# KiCad board panel_r0.1.kicad_pcb (continued)
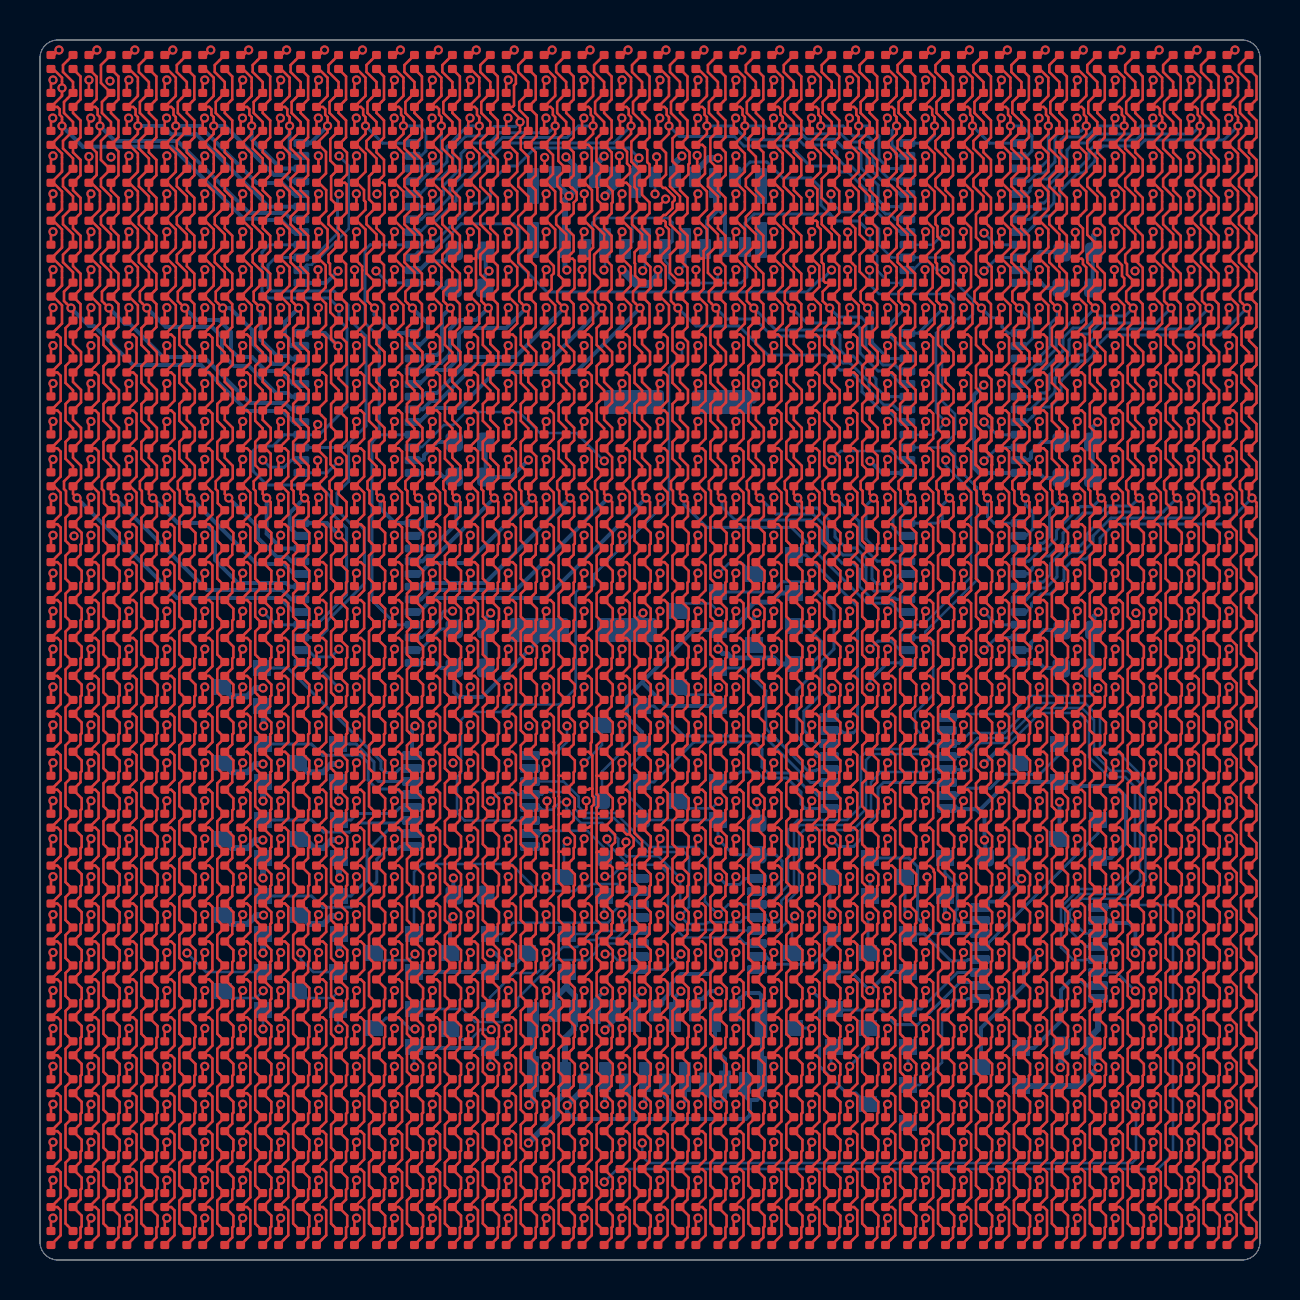
[diagram p0: board, top side]
## Routing (per net, layer and track width the routed paths; a pad name or vN(x,y) marks a point on that pad's centre or on a via; arc(x,y) is an arc through that point) (continued)
  Bottom w0.15: U8.9 43.06,44.44 42.75,44.75 42.15,44.75 41.3,45.6 41.3,46.9 41.05,47.15 39.94,47.15 v1(39.49,47.6)
COL_RA21: length 73
  Top w0.127: D1014.2 41.11,1.82 41.11,2.97 D982.2 41.11,3.72 41.11,4.87 D950.2 41.11,5.62 41.11,6.77 D918.2 41.11,7.51 41.11,8.66 D886.2 41.11,9.41 41.11,10.56 D854.2 41.11,11.31 41.11,12.46 D822.2 41.11,13.2 41.11,14.35 D790.2 41.11,15.1 41.11,16.25 D758.2 41.11,17 41.11,18.15 D726.2 41.11,18.89 41.11,20.04 D694.2 41.11,20.79 41.11,21.94 D662.2 41.11,22.69 41.11,23.84 D630.2 41.11,24.58 41.11,25.73 D598.2 41.11,26.48 41.11,27.63 D566.2 41.11,28.38 41.11,29.53 D534.2 41.11,30.27 41.11,31.42 D502.2 41.11,32.17 41.11,33.32 D470.2 41.11,34.07 41.11,35.22 D438.2 41.11,35.96 41.11,37.11 D406.2 41.13,37.84 41.13,38.45 41.03,38.55 41.03,38.93 D374.2 41.11,39.76 41.11,40.91 D342.2 41.48,41.58 41.11,41.96 41.11,42.8 D310.2 41.48,43.48 41.11,43.85 41.11,44.7 D278.2 41.48,45.38 41.11,45.75 41.11,46.6 D246.2 41.48,47.5 v1(41.38,47.6) 41.03,47.95 41.03,48.42 D214.2 41.48,48.92 40.98,49.42 40.98,50.26 D182.2 41.48,50.77 40.98,51.27 40.98,52.16 D150.2 41.48,53.18 40.98,53.68 40.98,54.06 D118.2 41.48,55.08 40.98,55.58 40.98,55.95 D86.2 41.48,56.9 41.03,57.35 41.03,57.9 D54.2 41.48,58.65 41.48,58.66 41.48,58.9 40.98,59.4 40.98,59.75 D22.2
  Bottom w0.15: v1(41.38,47.6) 41.61,47.37 41.61,45.87 42.41,45.07 U8.10
COL_RA22: length 71.9
  Top w0.127: D23.2 42.88,59.75 42.88,59.4 43.38,58.9 43.38,58.66 43.38,58.65 D55.2 42.93,57.9 42.93,57.35 43.38,56.9 D87.2 42.88,55.95 42.88,55.58 43.38,55.08 D119.2 42.88,54.06 42.88,53.68 43.38,53.18 D151.2 42.88,52.16 42.88,51.78 43.38,51.28 D183.2 42.88,50.26 42.88,49.89 43.38,49.39 D215.2 42.93,48.42 42.93,47.95 v1(43.28,47.6) 43.38,47.5 D247.2 43.01,46.6 43.01,45.75 43.38,45.38 D279.2 43.01,44.7 43.01,43.85 43.38,43.48 D311.2 43.01,42.8 43.01,41.96 43.38,41.58 D343.2 43.01,40.91 43.01,40.06 43.38,39.69 D375.2 42.93,38.93 42.93,38.55 43.03,38.45 43.03,37.84 D407.2 43.01,37.11 43.01,35.96 D439.2 43.01,35.22 43.01,34.07 D471.2 43.01,33.32 43.01,32.17 D503.2 43.01,31.42 43.01,30.27 D535.2 43.01,29.53 43.01,28.38 D567.2 43.01,27.63 43.01,26.48 D599.2 43.01,25.73 43.01,24.58 D631.2 43.01,23.84 43.01,22.69 D663.2 43.01,21.94 43.01,20.79 D695.2 43.01,20.04 43.01,18.89 D727.2 43.01,18.15 43.01,17 D759.2 43.01,16.25 43.01,15.1 D791.2 43.01,14.35 43.01,13.2 D823.2 43.01,12.46 43.01,11.31 D855.2 43.01,10.56 43.01,9.41 D887.2 43.01,8.66 43.01,7.51 D919.2 43.01,6.77 43.01,5.62 D951.2 43.01,4.87 43.01,3.72 D983.2 43.01,2.97 43.01,1.82 D1015.2
  Bottom w0.15: U8.11 42.99,45.71 42.55,46.15 42.55,46.87 v1(43.28,47.6)
COL_RA23: length 71.5
  Top w0.127: D24.2 44.78,59.75 44.78,59.4 45.28,58.9 45.28,58.66 45.28,58.65 D56.2 44.83,57.9 44.83,57.35 45.28,56.9 D88.2 44.78,55.95 44.78,55.58 45.28,55.08 D120.2 44.78,54.06 44.78,53.68 45.28,53.18 D152.2 44.78,52.16 44.78,51.78 44.87,51.69 44.87,51.17 D184.2 44.78,50.26 44.78,49.89 44.85,49.81 44.85,49.35 45.28,48.92 D216.2 44.83,48.42 44.83,47.95 v1(45.18,47.6) 45.28,47.5 D248.2 44.9,46.6 44.9,45.75 45.28,45.38 D280.2 44.9,44.7 44.9,43.85 45.28,43.48 D312.2 44.9,42.8 44.9,41.55 45.17,41.28 D344.2 44.9,40.91 44.9,39.7 45.22,39.38 D376.2 44.83,38.93 44.83,38.55 44.93,38.45 44.93,37.84 D408.2 44.9,37.11 44.9,35.96 D440.2 44.9,35.22 44.9,34.07 D472.2 44.9,33.32 44.9,32.17 D504.2 44.9,31.42 44.9,30.27 D536.2 44.9,29.53 44.9,28.38 D568.2 44.9,27.63 44.9,26.48 D600.2 44.9,25.73 44.9,24.58 D632.2 44.9,23.84 44.9,22.69 D664.2 44.9,21.94 44.9,20.79 D696.2 44.9,20.04 44.9,19.5 45.28,19.13 D728.2 44.9,18.15 44.9,17 D760.2 44.9,16.25 44.9,15.1 D792.2 44.9,14.35 44.9,13.2 D824.2 44.9,12.46 44.9,11.31 D856.2 44.9,10.56 44.9,9.41 D888.2 44.9,8.66 44.9,7.51 D920.2 44.9,6.77 44.9,5.62 D952.2 44.9,4.87 44.9,3.72 D984.2 44.9,2.97 44.9,1.82 D1016.2
  Bottom w0.15: U8.12 43.92,46.34 v1(45.18,47.6)
COL_RA24: length 71.5
  Top w0.127: D25.2 46.67,59.75 46.67,59.4 47.17,58.9 47.17,58.66 47.17,58.65 D57.2 46.72,57.9 46.72,57.35 47.17,56.9 D89.2 46.67,55.95 46.67,55.58 47.17,55.08 D121.2 46.67,54.06 46.67,53.68 47.17,53.18 D153.2 46.8,52.29 46.8,51.14 D185.2 46.8,50.39 46.8,49.28 47.17,48.91 D217.2 46.72,48.42 46.72,47.95 v1(47.07,47.6) 47.17,47.5 D249.2 46.8,46.6 46.8,45.75 47.17,45.38 D281.2 46.8,44.7 46.8,43.6 47.17,43.23 D313.2 ; D377.2 46.72,38.93 46.72,38.55 46.82,38.45 46.82,37.84 D409.2 46.8,37.11 46.8,35.96 D441.2 46.8,35.22 46.8,34.07 D473.2 46.8,33.32 46.8,32.17 D505.2 46.8,31.42 46.8,30.27 D537.2 46.8,29.53 46.8,28.38 D569.2 46.8,27.63 46.8,26.48 D601.2 46.8,25.73 46.8,24.58 D633.2 46.8,23.84 46.8,22.69 D665.2 46.8,21.94 46.8,20.79 D697.2 46.8,20.04 46.8,18.89 D729.2 46.8,18.15 46.8,17 D761.2 46.8,16.25 46.8,15.1 D793.2 46.8,14.35 46.8,13.2 D825.2 46.8,12.46 46.8,11.31 D857.2 46.8,10.56 46.8,9.41 D889.2 46.8,8.66 46.8,7.51 D921.2 46.8,6.77 46.8,5.62 D953.2 46.8,4.87 46.8,3.72 D985.2 46.8,2.97 46.8,1.82 D1017.2
  Top w0.15: D313.2 46.79,42.79 46.79,41.73 47.17,41.34 D345.2 46.79,40.9 46.79,39.77 D377.2
  Bottom w0.15: U8.13 48.41,46.34 48.1,46.65 48.1,46.95 47.94,47.11 47.56,47.11 v1(47.07,47.6)
COL_RA25: length 71.8
  Top w0.127: D26.2 48.57,59.75 48.57,59.4 49.07,58.9 49.07,58.66 49.07,58.65 D58.2 48.62,57.9 48.62,57.35 49.07,56.9 D90.2 48.57,55.95 48.57,55.58 49.07,55.08 D122.2 48.57,54.06 48.57,53.68 49.07,53.18 D154.2 48.57,52.16 48.57,51.78 49.07,51.28 D186.2 48.57,50.26 48.57,49.89 49.07,49.39 D218.2 48.62,48.42 48.62,47.95 v1(48.97,47.6) 49.07,47.5 D250.2 48.7,46.6 48.7,45.75 49.07,45.38 D282.2 48.7,44.7 48.7,43.85 49.07,43.48 D314.2 48.7,42.8 48.7,41.96 49.07,41.58 D346.2 48.7,40.91 48.7,40.06 49.07,39.69 D378.2 48.62,38.93 48.62,38.55 48.72,38.45 48.72,37.84 D410.2 48.7,37.11 48.7,35.96 D442.2 48.7,35.22 48.7,34.07 D474.2 48.7,33.32 48.7,32.17 D506.2 48.7,31.42 48.7,30.27 D538.2 48.7,29.53 48.7,28.38 D570.2 48.7,27.63 48.7,26.48 D602.2 48.7,25.73 48.7,24.58 D634.2 48.7,23.84 48.7,22.69 D666.2 48.7,21.94 48.7,20.79 D698.2 48.7,20.04 48.7,18.89 D730.2 48.7,18.15 48.7,17 D762.2 48.7,16.25 48.7,15.1 D794.2 48.7,14.35 48.7,13.2 D826.2 48.7,12.46 48.7,11.31 D858.2 48.7,10.56 48.7,9.41 D890.2 48.7,8.66 48.7,7.51 D922.2 48.7,6.77 48.7,5.62 D954.2 48.7,4.87 48.7,3.72 D986.2 48.7,2.97 48.7,1.82 D1018.2
  Bottom w0.15: U8.14 49.26,45.71 49.65,46.1 49.65,46.92 v1(48.97,47.6)
COL_RA26: length 73
  Top w0.127: D27.2 50.47,59.75 50.47,59.4 50.97,58.9 50.97,58.66 50.97,58.65 D59.2 50.52,57.9 50.52,57.35 50.97,56.9 D91.2 50.47,55.95 50.47,55.58 50.97,55.08 D123.2 50.47,54.06 50.47,53.68 50.97,53.18 D155.2 50.47,52.16 50.47,51.78 50.97,51.28 D187.2 50.47,50.26 50.47,49.89 50.97,49.39 D219.2 50.52,48.42 50.52,47.95 v1(50.87,47.6) 50.97,47.5 D251.2 50.59,46.6 50.59,45.75 50.97,45.38 D283.2 50.59,44.7 50.59,43.85 50.97,43.48 D315.2 50.59,42.8 50.59,41.96 50.97,41.58 D347.2 50.59,40.91 50.59,40.06 50.97,39.69 D379.2 50.52,38.93 50.52,38.55 50.62,38.45 50.62,37.84 D411.2 50.59,37.11 50.59,35.96 D443.2 50.59,35.22 50.59,34.07 D475.2 50.59,33.32 50.59,32.17 D507.2 50.59,31.42 50.59,30.27 D539.2 50.59,29.53 50.59,28.38 D571.2 50.59,27.63 50.59,26.48 D603.2 50.59,25.73 50.59,24.58 D635.2 50.59,23.84 50.59,22.69 D667.2 50.59,21.94 50.59,20.79 D699.2 50.59,20.04 50.59,18.89 D731.2 50.59,18.15 50.59,17 D763.2 50.59,16.25 50.59,15.1 D795.2 50.59,14.35 50.59,13.2 D827.2 50.59,12.46 50.59,11.31 D859.2 50.59,10.56 50.59,9.41 D891.2 50.59,8.66 50.59,7.51 D923.2 50.59,6.77 50.59,5.62 D955.2 50.59,4.87 50.59,3.72 D987.2 50.59,2.97 50.59,1.82 D1019.2
  Bottom w0.15: v1(50.87,47.6) 50.87,47.17 50.51,46.81 50.51,45.69 49.9,45.07 U8.15
COL_RA27: length 74.6
  Top w0.127: D1020.2 52.49,1.82 52.49,2.97 D988.2 52.49,3.72 52.49,4.87 D956.2 52.49,5.62 52.49,6.77 D924.2 52.49,7.51 52.49,8.66 D892.2 52.49,9.41 52.49,10.56 D860.2 52.49,11.31 52.49,12.46 D828.2 52.49,13.2 52.49,14.35 D796.2 52.49,15.1 52.49,16.25 D764.2 52.49,17 52.49,18.15 D732.2 52.49,18.89 52.49,20.04 D700.2 52.49,20.79 52.49,21.94 D668.2 52.49,22.69 52.49,23.84 D636.2 52.49,24.58 52.49,25.73 D604.2 52.49,26.48 52.49,27.63 D572.2 52.49,28.38 52.49,29.53 D540.2 52.49,30.27 52.49,31.42 D508.2 52.49,32.17 52.49,33.32 D476.2 52.49,34.07 52.49,35.22 D444.2 52.49,35.96 52.49,37.11 D412.2 52.51,37.84 52.51,38.45 52.41,38.55 52.41,38.93 D380.2 52.86,39.69 52.49,40.06 52.49,40.91 D348.2 52.86,41.29 52.49,41.66 52.49,42.8 D316.2 52.86,43.48 52.49,43.85 52.49,44.7 D284.2 52.86,45.38 52.49,45.75 52.49,46.6 D252.2 52.86,47.5 v1(52.76,47.6) 52.41,47.95 52.41,48.42 D220.2 52.86,49.39 52.36,49.89 52.36,50.26 D188.2 52.86,50.76 52.36,51.26 52.36,52.16 D156.2 52.86,53.18 52.36,53.68 52.36,54.06 D124.2 52.86,55.08 52.36,55.58 52.36,55.95 D92.2 52.86,56.9 52.41,57.35 52.41,57.9 D60.2 52.86,58.65 52.86,58.66 52.86,58.9 52.36,59.4 52.36,59.75 D28.2
  Bottom w0.15: v1(52.76,47.6) 52.06,46.9 51.55,46.9 50.81,46.16 50.81,45.56 50.05,44.8 49.85,44.8 49.49,44.44 U8.16
COL_RA28: length 76.8
  Top w0.127: D1021.2 54.39,1.82 54.39,2.97 D989.2 54.39,3.72 54.39,4.87 D957.2 54.39,5.62 54.39,6.77 D925.2 54.39,7.51 54.39,8.66 D893.2 54.39,9.41 54.39,10.56 D861.2 54.39,11.31 54.39,12.46 D829.2 54.39,13.2 54.39,14.35 D797.2 54.39,15.1 54.39,16.25 D765.2 54.39,17 54.39,18.15 D733.2 54.39,18.89 54.39,20.04 D701.2 54.39,20.79 54.39,21.94 D669.2 54.39,22.69 54.39,23.84 D637.2 54.39,24.58 54.39,25.73 D605.2 54.39,26.48 54.39,27.63 D573.2 54.39,28.38 54.39,29.53 D541.2 54.39,30.27 54.39,31.42 D509.2 54.39,32.17 54.39,33.32 D477.2 54.39,34.07 54.39,35.22 D445.2 54.39,35.96 54.39,37.11 D413.2 54.41,37.84 54.41,38.45 54.31,38.55 54.31,38.93 D381.2 54.76,39.69 54.39,40.06 54.39,40.91 D349.2 54.76,41.58 54.39,41.96 54.39,42.8 D317.2 54.76,43.48 54.39,43.85 54.39,44.7 D285.2 54.76,45.38 54.39,45.75 54.39,46.6 D253.2 54.76,47.5 v1(54.66,47.6) 54.31,47.95 54.31,48.42 D221.2 54.35,49.28 54.35,49.8 54.26,49.89 54.26,50.26 D189.2 54.76,51.28 54.26,51.78 54.26,52.16 D157.2 54.76,53.18 54.26,53.68 54.26,54.06 D125.2 54.76,55.08 54.26,55.58 54.26,55.95 D93.2 54.76,56.9 54.31,57.35 54.31,57.9 D61.2 54.76,58.65 54.76,58.66 54.76,58.9 54.26,59.4 54.26,59.75 D29.2
  Bottom w0.15: v1(54.66,47.6) 54.26,47.2 52.9,47.2 52.3,46.6 51.65,46.6 51.15,46.1 51.15,45.45 50.26,44.56 50.06,44.56 49.3,43.8 48.93,43.8 U8.17
COL_RA29: length 79.4
  Top w0.127: D30.2 56.16,59.75 56.16,59.4 56.66,58.9 56.66,58.66 56.66,58.65 D62.2 56.21,57.9 56.21,57.35 56.66,56.9 D94.2 56.16,55.95 56.16,55.58 56.66,55.08 D126.2 56.16,54.06 56.16,53.68 56.66,53.18 D158.2 56.16,52.16 56.16,51.78 56.66,51.28 D190.2 56.16,50.26 56.16,49.89 56.66,49.39 D222.2 56.21,48.42 56.21,47.95 v1(56.56,47.6) 56.66,47.5 D254.2 56.28,46.6 56.28,45.75 56.66,45.38 D286.2 56.28,44.7 56.28,43.85 56.66,43.48 D318.2 56.28,42.8 56.28,41.96 56.66,41.58 D350.2 56.28,40.91 56.28,40.06 56.66,39.69 D382.2 56.21,38.93 56.21,38.55 56.31,38.45 56.31,37.84 D414.2 56.28,37.11 56.28,35.96 D446.2 56.28,35.22 56.28,34.07 D478.2 56.28,33.32 56.28,32.17 D510.2 56.28,31.42 56.28,30.27 D542.2 56.28,29.53 56.28,28.38 D574.2 56.28,27.63 56.28,26.48 D606.2 56.28,25.73 56.28,24.58 D638.2 56.28,23.84 56.28,22.69 D670.2 56.28,21.94 56.28,20.79 D702.2 56.28,20.04 56.28,18.89 D734.2 56.28,18.15 56.28,17 D766.2 56.28,16.25 56.28,15.1 D798.2 56.28,14.35 56.28,13.2 D830.2 56.28,12.46 56.28,11.31 D862.2 56.28,10.56 56.28,9.41 D894.2 56.28,8.66 56.28,7.51 D926.2 56.28,6.77 56.28,5.62 D958.2 56.28,4.87 56.28,3.72 D990.2 56.28,2.97 56.28,1.82 D1022.2
  Bottom w0.15: v1(56.56,47.6) 55.81,46.85 53,46.85 52.45,46.3 51.75,46.3 51.45,46 51.45,45.25 50.45,44.25 50.45,43.55 50.25,43.35 49.9,43.35 49.72,43.17 U8.18
COL_RA30: length 81.3
  Top w0.127: D31.2 58.05,59.75 58.05,59.4 58.55,58.9 58.55,58.66 58.55,58.65 D63.2 58.1,57.9 58.1,57.35 58.55,56.9 D95.2 58.05,55.95 58.05,55.58 58.55,55.08 D127.2 58.05,54.06 58.05,53.68 58.55,53.18 D159.2 58.05,52.16 58.05,51.78 58.55,51.28 D191.2 58.05,50.26 58.05,49.89 58.55,49.39 D223.2 58.1,48.42 58.1,47.95 v1(58.45,47.6) 58.55,47.5 D255.2 58.18,46.6 58.18,45.75 58.55,45.38 D287.2 58.18,44.7 58.18,43.85 58.55,43.48 D319.2 58.18,42.8 58.18,41.96 58.55,41.58 D351.2 58.18,40.91 58.18,40.06 58.55,39.69 D383.2 58.1,38.93 58.1,38.55 58.2,38.45 58.2,37.84 D415.2 58.18,37.11 58.18,35.96 D447.2 58.18,35.22 58.18,34.07 D479.2 58.18,33.32 58.18,32.17 D511.2 58.18,31.42 58.18,30.27 D543.2 58.18,29.53 58.18,28.38 D575.2 58.18,27.63 58.18,26.48 D607.2 58.18,25.73 58.18,24.58 D639.2 58.18,23.84 58.18,22.69 D671.2 58.18,21.94 58.18,20.79 D703.2 58.18,20.04 58.18,18.89 D735.2 58.18,18.15 58.18,17 D767.2 58.18,16.25 58.18,15.1 D799.2 58.18,14.35 58.18,13.2 D831.2 58.18,12.46 58.18,11.31 D863.2 58.18,10.56 58.18,9.41 D895.2 58.18,8.66 58.18,7.51 D927.2 58.18,6.77 58.18,5.62 D959.2 58.18,4.87 58.18,3.72 D991.2 58.18,2.97 58.18,1.82 D1023.2
  Bottom w0.15: v1(58.45,47.6) 57.4,46.55 53.15,46.55 52.35,45.75 52.35,45.45 52.15,45.25 51.9,45.25 50.75,44.1 50.75,43.4 50.4,43.05 50.05,43.05 49.53,42.53 U8.19
COL_RA31: length 83.9
  Top w0.127: D32.2 59.95,59.75 59.95,59.4 60.45,58.9 60.45,58.66 60.45,58.65 D64.2 60,57.9 60,57.35 60.45,56.9 D96.2 59.95,55.95 59.95,55.58 60.45,55.08 D128.2 59.95,54.06 59.95,53.68 60.45,53.18 D160.2 59.95,52.16 59.95,51.78 60.45,51.28 D192.2 59.95,50.26 59.95,49.89 60.45,49.39 D224.2 60,48.42 60,47.95 v1(60.35,47.6) 60.45,47.5 D256.2 60.08,46.6 60.08,45.75 60.45,45.38 D288.2 60.08,44.7 60.08,43.85 60.45,43.48 D320.2 60.08,42.8 60.08,41.96 60.45,41.58 D352.2 60.08,40.91 60.08,40.06 60.45,39.69 D384.2 60,38.93 60,38.55 60.1,38.45 60.1,37.84 D416.2 60.05,37.08 60.05,35.99 D448.2 60.05,35.19 60.05,34.1 D480.2 60.05,33.29 60.05,32.2 D512.2 60.05,31.39 60.05,30.3 D544.2 60.05,29.5 60.05,28.41 D576.2 60.05,27.6 60.05,26.51 D608.2 60.05,25.7 60.05,24.61 D640.2 60.05,23.81 60.05,22.72 D672.2 60.05,21.91 60.05,20.82 D704.2 60.05,20.01 60.05,18.92 D736.2 60.05,18.12 60.05,17.03 D768.2 60.05,16.22 60.05,15.13 D800.2 60.05,14.32 60.05,13.23 D832.2 60.05,12.43 60.05,11.34 D864.2 60.05,10.53 60.05,9.44 D896.2 60.05,8.63 60.05,7.54 D928.2 60.05,6.74 60.05,5.65 D960.2 60.05,4.84 60.05,3.75 D992.2 60.05,2.94 60.05,1.85 D1024.2
  Bottom w0.15: U8.20 49.35,41.9 49.62,42.17 49.62,42.17 50.1,42.65 50.5,42.65 51.05,43.2 51.05,43.95 52.05,44.95 52.35,44.95 52.7,45.3 52.7,45.55 53.4,46.25 59,46.25 v1(60.35,47.6)
P_LED: length 211.5
  In1.Cu w0.4: v1(20.65,24.85) 21.55,25.75 23.5,25.75 v1(24.45,26.7)
  In2.Cu w0.15: v1(26.34,49.5) 25.89,49.05 17.2,49.05 v1(16.8,49.45)
  In2.Cu w0.2: v1(47.19,43.75) 47.79,44.35 50.4,44.35 50.95,43.8 50.95,39.75 52.5,38.2 52.49,38.19 52.49,35.69 52.89,35.3 54.3,35.3 54.8,34.8 v1(54.8,32.35)
  In2.Cu w0.25: v1(18.73,9.65) 18.73,9.98 19.31,10.55 ; 19.31,10.55 15.35,10.55 14.95,10.95 v1(14.95,11.55) ; 19.31,10.55 23.41,10.55 ; v1(28.21,17.25) 28.21,16.81 27.75,16.35 26.7,16.35 26.3,15.95 26.3,10.9 25.95,10.55 23.41,10.55 ; 23.41,10.55 v1(22.54,9.67)
  In2.Cu w0.3: v1(3.55,55.15) 3.55,55.48 3.8,55.73 3.8,57.65 3.5,57.95 v1(3.5,58.95)
  Bottom w0.089: v1(14.94,22.95) 14.9,22.99 Q7.2
  Bottom w0.127: Q20.2 30.1,25.27 29.48,24.66 29.48,23.14 30.1,22.53 Q19.2 Q18.2 ; v1(33.9,30.55) 33.9,30.55 Q23.2 ; Q11.2 14.9,11.6 v1(14.95,11.55) ; Q10.2 v1(11.15,11.55)
  Bottom w0.15: v1(41.49,13.47) 40.56,14.4 Q9.2 ; v1(18.73,9.65) 18.7,9.68 18.7,10.6 ; v1(39.6,9.65) 39.55,9.7 39.55,10.6 ; U9.24 17.39,48.86 v1(16.8,49.45) ; v1(28.21,17.25) 28.2,17.26 Q1.2 ; 43.4,10.55 v1(43.4,9.65) ; v1(22.54,9.67) 22.5,9.71 Q13.2 ; Q18.2 33.9,21.05 v1(33.95,21) 34.68,20.26 C4.1 36.79,20.26 37.1,19.95 37.1,19 36.53,18.42 U2.10 ; Q31.2 v1(41.5,19.1)
  Bottom w0.2: U6.24 49.96,29.86 50.22,29.6 C12.1 ; 33.93,52.53 33.35,51.95 33.35,50.65 J1.5 ; 33.93,52.53 33.75,52.7 J1.4 ; 33.93,52.53 34.25,52.2 J1.3 ; 46.81,22.54 47.22,22.13 v1(47.22,21) 47.26,20.96 C6.1 ; 46.81,22.54 47.03,22.54 48.39,23.9 Q17.2 51.6,23.9 51.8,23.7 53.75,23.7 54.3,23.15 54.3,20.85 53.55,20.1 Q30.2 ; 46.81,22.54 45.91,22.54 45.88,22.58 U3.16 ; Q13.2 18.75,10.6 Q12.2 ; C7.1 20.12,48.6 19.87,48.86 U9.24 ; v1(54.77,15.35) 54.77,16.53 54.45,16.85 53.56,16.85 53.44,16.97 U4.10 ; Q20.2 30.1,26.4 29.35,27.15 29.35,28.14 30.15,28.95 ; Q23.2 32.71,31.5 30.15,28.95 ; Q21.2 31.29,27.7 30.15,28.84 30.15,28.95 ; Q15.2 Q16.2 ; C9.1 20.18,39.15 19.97,39.36 U7.24 ; C8.1 50.31,48.6 50.06,48.86 U10.24 ; Q29.2 42.42,14.4 v1(41.49,13.47) ; U5.24 19.79,29.86 20.05,29.6 C11.1 20.71,28.39 20.95,28.15 22.1,28.15 v1(24.45,30.5) 24.95,31 C1.1 ; J2.4 33.75,10.55 34.25,10.05 J2.3 34.25,8.1 v1(33.9,7.75) 33.25,8.4 J2.5 ; Q32.2 45.25,17.28 v1(45.33,17.2) ; v1(47.19,43.75) 46.7,43.26 46.7,39.6 46.94,39.36 U8.24 49.94,39.36 50.2,39.1 C10.1
  Bottom w0.25: J1.19 26.25,49.59 v1(26.34,49.5) ; Q22.2 37,29.8 36.7,30.1 34.58,30.1 34.36,30.32 34.13,30.32 v1(33.9,30.55) ; J1.18 26.75,54.7 v1(26.3,55.15) ; Q24.2 37,33.35 36.54,32.89 35.72,32.89 35.24,32.4 35.24,32.14 34.6,31.5 Q23.2
  Bottom w0.3: v1(24.42,5.85) 25.85,7.28 25.85,7.95 26.25,8.35 J2.19 26.25,11.1 26.7,11.55 26.7,11.7 26.75,11.75 J2.18 26.75,13.2 26.35,13.6 ; Q4.2 v1(11.15,19.1) ; Q8.2 11.18,27.62 v1(11.18,26.7) ; Q14.2 26.35,13.6 ; 26.35,13.6 26.25,13.6 25.75,13.1 J2.20 ; Q25.2 51.98,8.7 v1(52.91,9.63) 52.64,9.91 C5.1 52.64,11.28 52.9,11.54 U4.16 ; Q3.2 14.95,15.36 v1(14.98,15.33) ; v1(14.98,19.1) 14.95,19.13 Q5.2 ; Q2.2 v1(11.15,15.35) ; v1(26.45,53.2) 26.75,53.5 J1.18 ; v1(26.45,53.2) 25.75,53.9 J1.20 ; v1(26.45,53.2) 26.25,53 J1.19 ; Q6.2 v1(11.15,22.95)
Net-(Q1-Pad1): length 4.6
  Bottom w0.127: 25.26,21.46 27.37,21.46 28.2,20.63 Q1.1
  Bottom w0.15: 25.26,21.46 25.12,21.46 24.99,21.33 U1.15
Net-(Q2-Pad1): length 9.6
  Bottom w0.15: U1.1 18,20.67 17.88,20.55 17.35,20.55 16.84,20.04 16.84,18.91 15.56,17.64 14.15,17.64 13.58,18.2 Q2.1
Net-(Q3-Pad1): length 6
  Bottom w0.15: U1.2 18.18,21.33 17.95,21.55 17.45,21.55 16.35,20.45 16.35,19 15.55,18.2 Q3.1
Net-(Q4-Pad1): length 7.9
  Bottom w0.15: Q4.1 13.57,22 14.18,21.39 15.49,21.39 15.95,21.85 17.88,21.85 18,21.97 18.6,21.97
Net-(Q5-Pad1): length 3.9
  Bottom w0.15: U1.4 18,22.62 17.7,22.33 15.88,22.33 15.55,22 Q5.1
Net-(Q6-Pad1): length 9
  Bottom w0.15: Q6.1 13.57,25.8 14.13,25.24 15.62,25.24 15.64,25.25 16.01,25.25 16.41,24.86 16.41,23.99 16.85,23.55 17.85,23.55 18.12,23.28 U1.5
Net-(Q7-Pad1): length 4.9
  Bottom w0.15: U1.6 16.93,23.92 16.7,24.15 16.7,24.9 15.8,25.8 Q7.1
Net-(Q8-Pad1): length 10
  Bottom w0.15: Q8.1 12.4,29.6 17.05,24.95 17.05,24.55 17.22,24.38 17.8,24.38 18,24.58 U1.7
Net-(Q9-Pad1): length 4.9
  Bottom w0.15: Q9.1 39.6,15.75 38.64,14.79 36.69,14.79 36.3,15.17 U2.15
Net-(Q10-Pad1): length 32.4
  In1.Cu w0.127: v1(32.05,15.3) 32.05,15.63 31.57,16.1 28,16.1 27.75,16.35 8.35,16.35 v1(7.35,15.35)
  Bottom w0.127: Q10.1 8.3,14.4 v1(7.35,15.35) ; v1(32.05,15.3) 31.27,14.53 29.95,14.53
Net-(Q11-Pad1): length 20.2
  In1.Cu w0.127: v1(28.25,15.3) 27.5,16.05 13.74,16.05 v1(13.04,15.35)
  Bottom w0.127: v1(28.25,15.3) 28.58,15.3 28.88,14.99 29.34,14.99 29.53,15.17 U2.2 ; v1(13.04,15.35) 13.04,15.02 13.67,14.4 Q11.1
Net-(Q12-Pad1): length 13.5
  Bottom w0.127: U2.3 28.03,15.83 27.8,15.6 27.8,15.4 27.35,14.95 27,14.95 26.95,15 25.81,15 23.9,13.1 23.9,12.7 23.1,11.9 21.76,11.9 21.11,12.55 Q12.1
Net-(Q13-Pad1): length 9.5
  Bottom w0.127: U2.4 29.22,16.47 28.85,16.1 27.9,16.1 27.8,16 27.2,16 26.85,15.65 26.15,15.65 24.85,14.35 23.72,14.35 22.5,13.13 Q13.1
Net-(Q14-Pad1): length 3.9
  Bottom w0.127: Q14.1 27.65,16.3 27.8,16.45 28.8,16.45 29.47,17.12 U2.5
Net-(Q15-Pad1): length 8.2
  Bottom w0.127: U2.6 29.04,17.78 28.6,17.33 28.6,17.07 28.4,16.87 23.64,16.87 23.08,16.3 Q15.1
Net-(Q16-Pad1): length 15.4
  Bottom w0.127: U2.7 29.22,18.42 28.85,18.8 27.54,18.8 27.44,18.7 27,18.7 26.75,18.45 24.9,18.45 23.55,19.8 19.1,19.8 18.7,19.4 Q16.1
Net-(Q17-Pad1): length 7
  Bottom w0.15: U3.15 45.85,23.22 46.21,23.59 47.51,23.59 48.21,24.29 49.99,24.29 50.95,25.25 Q17.1
Net-(Q18-Pad1): length 6.9
  Bottom w0.15: U3.1 38.78,22.58 38.77,22.57 38.28,22.57 38.05,22.8 38.05,23.4 37.35,24.1 36.15,24.1 35.85,24.4 35,24.4 34.5,23.9 Q18.1
Net-(Q19-Pad1): length 11.8
  Bottom w0.15: U3.2 38.9,23.22 38.63,23.5 38.4,23.5 37.55,24.35 36.4,24.35 36.1,24.65 36.1,25.55 35.75,25.9 32.7,25.9 30.7,23.9 Q19.1
Net-(Q20-Pad1): length 10.9
  Bottom w0.15: U3.3 38.53,23.88 36.2,26.2 32.2,26.2 30.7,27.7 Q20.1
Net-(Q21-Pad1): length 8.8
  Bottom w0.15: Q21.1 35.15,29.6 36.29,28.46 36.29,26.57 38.4,24.46 38.79,24.46 38.85,24.53 39.45,24.53
Net-(Q22-Pad1): length 9
  Bottom w0.15: Q22.1 38.3,31.7 39.1,30.9 39.1,30.34 38.65,29.89 38.65,29.3 37.84,28.49 37.84,26.19 38.85,25.17 U3.5
Net-(Q23-Pad1): length 14.8
  Bottom w0.15: 39.45,25.83 38.85,25.83 38.19,26.48 38.19,27.44 39.05,28.3 39.05,29.9 39.7,30.55 39.7,32.5 38.28,33.91 37.12,33.91 36.6,33.4 Q23.1
Net-(Q24-Pad1): length 11.9
  Bottom w0.15: Q24.1 38.3,35.25 40.88,32.67 40.88,26.57 40.67,26.36 40.16,26.36 40.05,26.47 U3.7
Net-(Q25-Pad1): length 6.2
  Bottom w0.2: Q25.1 49.7,10.6 51.05,11.95 51.05,13.5 51.5,13.95 52.07,13.95 52.3,13.72 U4.15
Net-(Q26-Pad1): length 6.8
  Bottom w0.127: U4.1 46.38,13.08 46.3,13 45.8,13 45.1,12.3 45.1,9.87 43.98,8.75 Q26.1
Net-(Q27-Pad1): length 8.7
  Bottom w0.15: 39.55,12.5 42.04,12.5 42.77,11.77 43.88,11.77 45.98,13.87 46.85,13.87 U4.2
Net-(Q28-Pad1): length 4.4
  Bottom w0.15: Q28.1 44.05,12.55 45.88,14.38 U4.3
Net-(Q29-Pad1): length 4.2
  Bottom w0.15: Q29.1 44.21,16.3 45.55,14.96 46.34,14.96 46.4,15.03 47,15.03
Net-(Q30-Pad1): length 8.9
  Bottom w0.15: Q30.1 52.9,21.33 47.24,15.67 U4.5
Net-(Q31-Pad1): length 8.6
  Bottom w0.15: Q31.1 43.45,20.1 43.88,19.66 43.88,17.08 44.64,16.33 47,16.33
Net-(Q32-Pad1): length 4.7
  Bottom w0.15: U4.7 46.9,16.88 45.98,16.88 45.78,17.08 45.78,17.46 45.86,17.55 45.86,18.73 45.25,19.35 Q32.1
Net-(R1-Pad1): length 2.5
  Bottom w0.15: R1.1 20.05,31.55 19.05,30.55 18.69,30.55 U5.23
Net-(R2-Pad1): length 2.7
  Bottom w0.2: R2.1 50.2,31.5 49.55,30.85 49.55,30.61 49.43,30.49 U6.23
Net-(R3-Pad1): length 2.6
  Bottom w0.2: R3.1 19.87,40.9 19.2,40.23 19.2,40.06 19.13,39.99 U7.23
Net-(R4-Pad1): length 2.6
  Bottom w0.2: U8.23 49.43,39.99 49.55,40.11 49.55,40.35 50.1,40.9 R4.1
Net-(R5-Pad1): length 2.5
  Bottom w0.2: R5.1 20.2,49.94 19.42,49.94 18.97,49.49 U9.23
Net-(R6-Pad1): length 2.7
  Bottom w0.2: R6.1 50.01,50.4 49.5,49.89 49.5,49.56 49.43,49.49 U10.23
Net-(U1-Pad9): length 23.6
  In2.Cu w0.127: v1(28.35,21.05) 27.75,20.45 26,20.45 25.9,20.55 25.9,21.77 26.8,22.67 26.8,26.25 v1(26.35,26.7)
  Bottom w0.127: U1.9 24.93,25.22 25.05,25.35 25.8,25.35 26.35,25.9 v1(26.35,26.7) ; U2.14 35.25,15.83 34.95,16.12 32.21,16.12 31.4,16.94 31.4,19.33 30.97,19.77 29.43,19.77 28.35,20.85 v1(28.35,21.05)
Net-(U2-Pad9): length 16.8
  In1.Cu w0.15: v1(39.6,21) 38.55,19.95 34.75,19.95 v1(33.93,19.14)
  Bottom w0.15: U3.14 42.18,23.88 41.9,23.6 41.9,22.35 41.05,21.5 41.05,21.05 40.67,20.67 39.93,20.67 v1(39.6,21) ; U2.9 35.28,19.08 34.98,18.77 34.3,18.77 v1(33.93,19.14)
Net-(U3-Pad9): length 27.8
  In2.Cu w0.127: v1(52.9,28.6) 52.9,26.1 53.1,25.9 55.05,25.9 55.2,25.75 55.2,13.88 v1(54.77,13.45)
  Bottom w0.127: U4.14 53.84,14.38 v1(54.77,13.45) ; U3.9 45.88,27.12 46.05,27.3 48.55,27.3 49.45,28.2 52.5,28.2 v1(52.9,28.6)
Net-(U5-Pad22): length 27.1
  In1.Cu w0.15: v1(20.63,32.45) 20.63,32.12 21.1,31.65 41,31.65 41.5,31.15 v1(41.5,30.55)
  Bottom w0.15: U5.22 19.1,31.13 20.06,32.09 20.06,32.31 20.2,32.45 v1(20.63,32.45) ; U6.2 43.01,30.49 42.56,30.94 41.89,30.94 v1(41.5,30.55)
Net-(U7-Pad22): length 28.3
  In1.Cu w0.127: v1(28.21,39.95) 28.2,39.96 28.2,40.5 28.55,40.85 39.35,40.85 39.6,40.6 v1(39.6,40)
  Bottom w0.127: v1(28.21,39.95) 26.81,41.35 25,41.35 23.95,42.4 21.3,42.4 20.65,41.75 20.2,41.75 19.1,40.65 18.65,40.65 U7.22 ; U8.2 43.01,39.99 42.55,40.45 40.05,40.45 v1(39.6,40)
Net-(U10-Pad2): length 33.1
  In2.Cu w0.127: v1(39.58,49.5) 39.58,49.17 39.85,48.9 44.65,48.9 v1(45.25,49.5)
  Bottom w0.127: v1(45.25,49.5) 44.83,49.5 44.44,49.9 44.05,49.9 43.7,49.55 43.43,49.55 U10.2
  Bottom w0.15: v1(39.58,49.5) 39.08,49 38.95,49 38.35,48.4 25.35,48.4 23.95,49.8 23.95,51.55 23.69,51.81 21.05,51.81 19.64,50.4 18.9,50.4 U9.22

## Copper pours and planes (outline as drawn; the poured copper is in the pictures)
GND on In2.Cu: 0.25,60.75 60.7,60.7 60.7,0.3 0.3,0.3
/ledArray/sheet5D7D53E6/COM on In1.Cu: 0.25,46.47 0.25,44.87 60.75,44.87 60.75,46.47
/ledArray/sheet5D7D53F6/COM on In1.Cu: 0.25,44.58 0.25,42.98 60.75,42.98 60.75,44.58
/ledArray/sheet5D7D542A/COM on In1.Cu: 0.25,38.89 0.25,37.29 60.75,37.29 60.75,38.89
/ledArray/sheet5D7D543A/COM on In1.Cu: 0.25,36.99 0.25,35.39 60.75,35.39 60.75,36.99
/ledArray/sheet5D7D544C/COM on In1.Cu: 0.25,35.09 0.25,33.49 60.75,33.49 60.75,35.09
